# KiCad board pcb.kicad_pcb (continued)
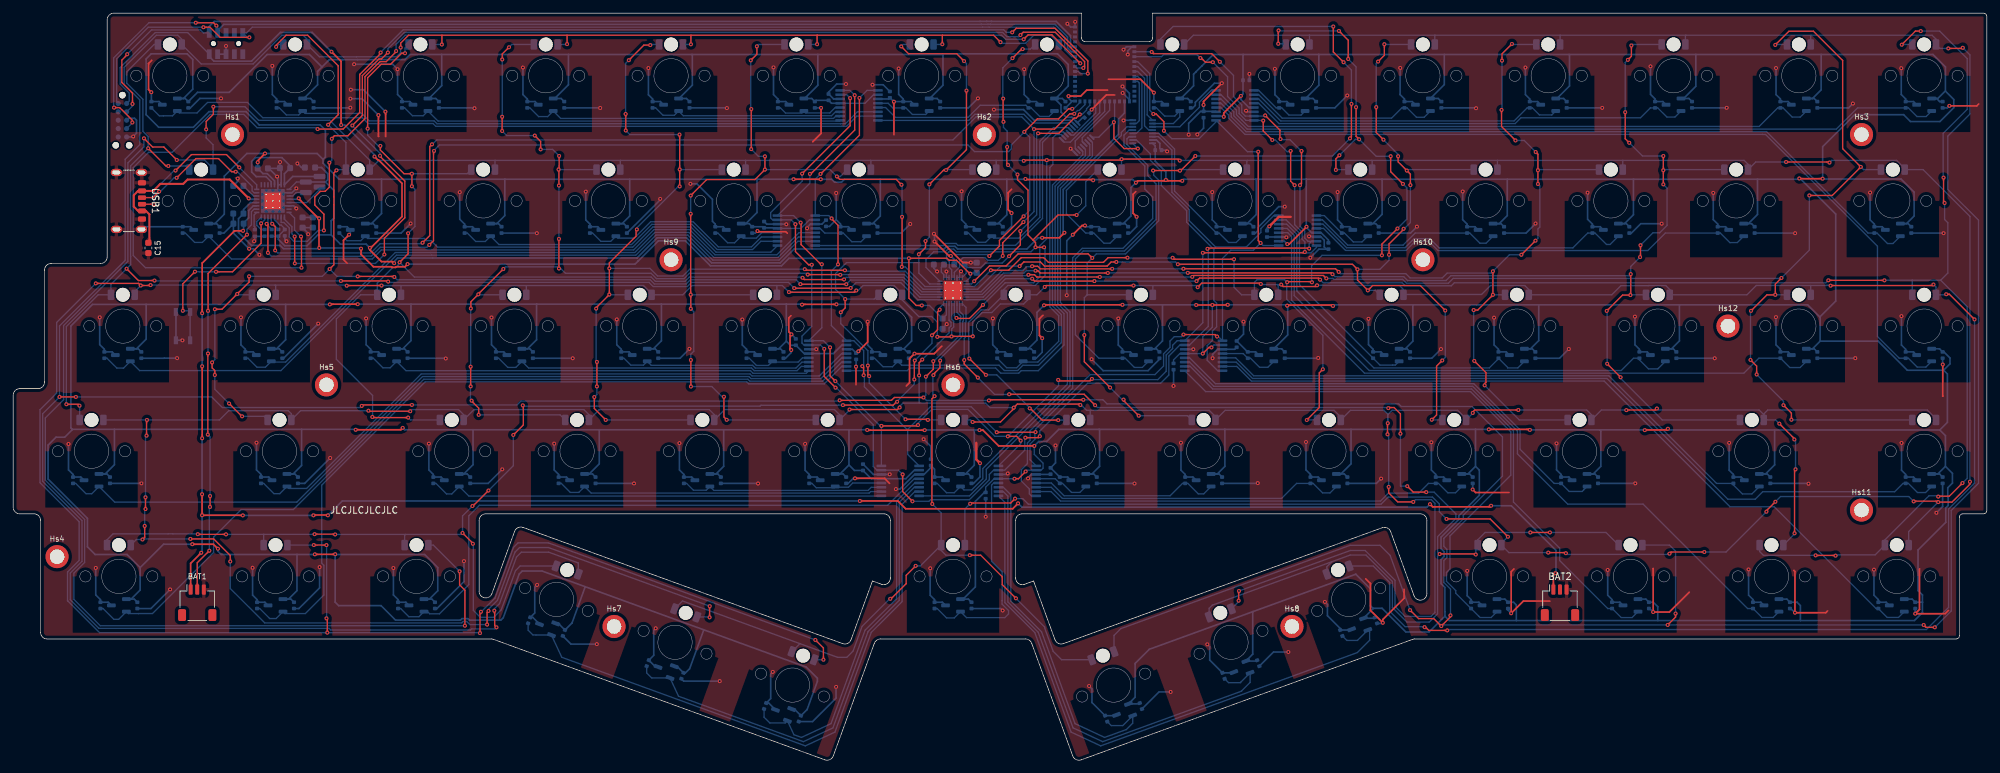
[diagram p0: board, top side]
## Routing (per net, layer and track width the routed paths; a pad name or vN(x,y) marks a point on that pad's centre or on a via; arc(x,y) is an arc through that point) (continued)
/MUXB_SEL_2: length 222.3
  Top w0.2: v1(195.34,92.44) 195.34,87.47 v1(195.11,87.24) ; v1(126.9,100.46) 126.9,96.27 v1(119.62,88.99) ; v1(196.5,77.6) 196.41,77.69 181.19,77.69 v1(181.08,77.58) ; v1(134.86,43.33) 134.86,40.74 v1(136.35,39.25) ; v1(189.83,97.83) 192.07,95.59 192.07,94.32 v1(192.16,94.24) ; v1(118.61,81.32) 118.61,77.15 120.61,75.16 v1(121.08,75.16) ; v1(182.96,105.97) 181.73,107.19 172.88,107.19 v1(172.62,107.46) ; v1(122.98,62.39) 122.98,58.21 v1(124.69,56.5) ; v1(155.66,49.13) 155.44,48.91 v1(153.47,48.91)
  Bottom w0.2: v1(118.61,81.32) 117.95,81.97 MUXB2.15 115.15,81.97 114.85,82.27 114.85,83.07 119.62,87.85 v1(119.62,88.99) ; v1(153.47,48.91) 153.38,48.82 153.38,47.01 150.34,43.97 MUXB8.15 148.65,43.97 148.01,43.33 148.01,42.51 144.98,39.49 139.09,39.49 138.85,39.25 v1(136.35,39.25) ; M1.38 172.58,107.5 v1(172.62,107.46) ; v1(196.5,77.6) 196.5,78.35 196.88,78.72 ; v1(124.69,56.5) 124.78,56.5 130.41,50.87 130.41,44.54 130.98,43.97 MUXB4.15 134.22,43.97 v1(134.86,43.33) ; MUXB1.15 126.39,100.97 v1(126.9,100.46) ; MUXB6.15 196.88,78.72 ; 196.88,78.72 196.32,78.72 195.83,79.21 195.83,80.27 195.11,80.99 v1(195.11,87.24) ; v1(192.16,94.24) 192.25,94.15 193.58,94.15 195.22,92.51 195.22,92.32 v1(195.34,92.44) ; v1(121.08,75.16) 121.08,65.8 119.6,64.32 119.6,63.27 119.9,62.97 MUXB3.15 122.39,62.97 v1(122.98,62.39) ; v1(182.96,105.97) 185.03,103.9 185.03,100.68 186.28,99.43 186.28,98.27 186.83,97.72 MUXB5.15 189.72,97.72 v1(189.83,97.83) ; v1(181.08,77.58) 181.2,77.46 181.2,65.8 178.37,62.97 MUXB7.15 176.9,62.97 175.23,61.3 175.23,58.42 173.98,57.18 162.92,57.18 155.66,49.92 v1(155.66,49.13)
/NRESET: length 160.4
  Top w0.2: v1(28.84,111.22) 29.84,111.22 31.38,109.68 v1(35.81,109.68)
  Bottom w0.2: v1(35.81,109.68) 35.48,109.68 JTAG1.10 35.38,110.35 36.25,111.22 146.97,111.22 146.97,111.23 147.97,111.23 147.97,111.22 157.78,111.22 159.44,109.57 159.44,107.81 160.5,106.75 M1.7 ; v1(28.84,111.22) 20.47,111.22 15.69,106.43 15.69,99.87 JTAG2.10
/SCL: length 181.6
  Top w0.2: v1(160.57,98.83) 160.02,98.83 158.5,97.31 155.29,97.31 v1(153.31,95.32) ; v1(38.42,81.36) 38.51,81.36 38.63,81.24 v1(38.63,76.97) ; v1(63.09,78.17) 63.73,78.81 63.73,92.36 v1(63.81,92.44) ; v1(148.01,76.48) 149.54,78.01 149.54,78.85 v1(153.2,82.51)
  Bottom w0.2: PMIC1.14 38.62,81.56 v1(38.42,81.36) 38.42,81.28 R1.2 ; v1(148.01,76.48) 147.78,76.71 142.82,76.71 142.39,77.14 141.9,77.14 141.52,76.75 141.52,76.04 141.94,75.62 141.94,74.74 142.3,74.39 LEDDR1.28 ; v1(63.09,78.17) 62.73,77.81 55.66,77.81 54.33,76.48 52.64,76.48 52.6,76.44 48.52,76.44 48.48,76.48 39.12,76.48 v1(38.63,76.97) ; v1(160.57,98.83) 160.78,98.83 161.75,99.79 M1.17 ; v1(153.2,82.51) 154.13,83.44 154.13,94.51 v1(153.31,95.32) 153.31,95.32 151.36,93.37 151.36,92.77 150.93,92.34 145.76,92.34 144.76,93.34 64.63,93.34 63.81,92.52 v1(63.81,92.44)
/SDA: length 180
  Top w0.2: v1(154.78,95.75) 157.89,95.75 160.21,98.07 v1(160.88,98.07) ; v1(39.27,81.38) 39.73,80.92 39.73,77.35 v1(39.72,77.34) ; v1(63.5,93.44) 63.16,93.1 63.16,79.59 v1(62.07,78.5) ; v1(150.04,76.5) 150.04,78.5 v1(153.18,81.64)
  Bottom w0.2: v1(153.18,81.64) 154.78,83.24 v1(154.78,95.75) 152.93,97.6 145.98,97.6 142.49,94.11 64.22,94.11 63.55,93.44 v1(63.5,93.44) ; LEDDR1.29 142.7,74 143.49,74.79 143.49,75.69 144.04,76.24 147.33,76.24 147.74,75.83 149.37,75.83 v1(150.04,76.5) ; v1(160.88,98.07) 161.38,98.57 161.62,98.57 162.5,99.45 M1.18 ; v1(62.07,78.5) 61.92,78.35 55.63,78.35 54.23,76.95 40.11,76.95 v1(39.72,77.34) ; PMIC1.13 39.12,81.53 v1(39.27,81.38) 39.34,81.38 R2.2
/SW0: length 997.6
  Top w0.2: 83.98,110 102.78,110 ; 83.98,110 65.01,110 ; 83.98,110 v1(83.98,108.65) ; 102.78,110 102.76,109.98 v1(102.76,108.62) ; 102.78,110 121.91,110 ; v1(73.28,20.11) 73.01,20.38 73.01,22.58 v1(72.95,22.64) ; v1(125.31,54.58) 133.18,54.58 133.61,55.01 v1(138.02,55.01) ; v1(139.51,60.52) 139.51,59.3 v1(138.38,58.17) ; v1(293.41,108) 295.51,108 v1(295.61,108.1) ; 65.01,110 65.01,108.61 v1(64.99,108.59) ; 65.01,110 59.94,110 58.75,108.81 v1(58.75,108.13) ; v1(60.46,53.88) 53,53.88 v1(52.85,53.73) ; v1(252.06,22.21) 252.06,21.68 v1(250.86,20.48) ; 140.88,110 148.65,110 v1(149.7,108.95) ; 140.88,110 v1(140.88,108.63) ; 140.88,110 121.91,110 ; v1(211.8,22.73) 213.09,21.44 215.39,21.44 v1(216.53,20.3) 217.93,21.7 v1(217.93,21.93) ; v1(162.26,54.66) 148.05,54.66 v1(147.95,54.56) ; 121.91,110 121.89,109.98 v1(121.89,108.63) ; v1(9.51,55.09) v1(7.02,55.09) ; v1(291.37,20.12) 290.03,20.12 v1(289.68,20.47)
  Bottom w0.2: D13.2 253.55,109.94 253.61,110 ; v1(291.37,20.12) 293.86,22.61 293.86,37.86 297.99,41.99 297.99,81.92 293.33,86.59 293.33,94.68 296.69,98.04 296.69,107.02 v1(295.61,108.1) ; D11.2 215.55,109.97 215.58,110 ; v1(138.38,58.17) 138.38,55.37 v1(138.02,55.01) 138.47,54.56 v1(147.95,54.56) ; v1(102.76,108.62) 102.74,108.6 D5.2 ; 272.6,110 272.55,109.95 D14.2 ; 272.6,110 253.61,110 ; 272.6,110 290.95,110 291.55,109.4 D15.2 292.15,108 v1(293.41,108) ; v1(252.06,22.21) 252.06,31.68 251.14,32.6 D70.2 ; v1(211.8,22.73) 208.78,31.03 207.24,32.57 202.7,32.57 167.94,19.91 166.92,18.89 D66.2 ; D9.2 178.95,110 196.53,110 ; 196.53,110 215.58,110 ; 196.53,110 196.55,109.98 D10.2 ; 215.58,110 234.57,110 ; 253.61,110 234.57,110 ; v1(149.7,108.95) 149.88,108.77 153.52,108.77 153.52,108.78 154.74,110 157.33,110 158.55,108.78 D8.2 ; D3.2 64.98,108.6 v1(64.99,108.59) ; v1(140.88,108.63) 140.85,108.6 D7.2 ; 234.57,110 234.55,109.98 D12.2 ; v1(73.28,20.11) 73.05,19.88 69.5,19.88 69.33,19.71 48.15,19.71 47.9,19.96 13.01,19.96 8.65,24.31 8.65,28.35 10.43,30.13 10.43,36.32 4.46,42.28 4.46,52.53 v1(7.02,55.09) 7.02,65.87 16.98,75.83 16.98,91.18 19.19,93.39 19.19,100.18 16.82,102.55 16.82,105.12 21.7,110 24.95,110 25.55,109.4 D1.2 28.51,105.64 36.38,105.64 40.74,110 43.95,110 44.55,109.4 D2.2 46.42,106.72 50.11,106.72 50.12,106.72 52.04,106.72 52.05,106.72 58.1,106.72 58.73,107.35 58.73,108.11 v1(58.75,108.13) ; LEDDR1.11 143.1,67.92 143.67,67.35 143.67,66.81 143.56,66.7 143.56,64.49 139.59,60.52 v1(139.51,60.52) ; v1(83.98,108.65) 83.93,108.6 D4.2 ; v1(217.93,21.93) 217.93,25.92 216.92,26.93 216.92,30.23 217.38,30.69 217.38,31.96 216.92,32.42 216.92,33.63 219.87,36.57 219.87,37.13 225.81,43.07 225.81,49.02 221.19,53.64 210.47,53.64 210.07,54.04 165.85,54.04 165.23,54.66 v1(162.26,54.66) ; v1(72.95,22.64) 72.95,22.92 73.74,23.72 76.32,30.79 77.05,31.52 81.19,31.52 85.66,29.89 85.69,29.86 D62.2 ; v1(216.53,20.3) 216.53,20.45 216.55,20.48 v1(250.86,20.48) 289.67,20.48 v1(289.68,20.47) ; v1(60.46,53.88) 76.4,53.88 76.99,54.47 125.2,54.47 v1(125.31,54.58) ; D6.2 121.86,108.6 v1(121.89,108.63) ; v1(52.85,53.73) 52.6,53.48 31.71,53.48 30.1,55.09 v1(9.51,55.09)
/SW1: length 724.8
  Top w0.2: v1(145.1,38.88) 145.21,38.99 151.25,38.99 v1(151.91,39.65) ; v1(265.83,37.67) 265.83,37.82 v1(267.19,39.18) ; v1(67.69,28.61) 67.69,26.56 68.49,25.76 v1(68.49,20.36) ; v1(217.33,36.57) 223.94,36.57 v1(226.64,33.87) ; v1(296.69,42.22) 296.69,41.84 293.97,39.12 v1(291.88,39.12) 291.73,39.27 288.2,39.27 v1(288.16,39.23) ; v1(29.26,95.71) 29.26,96.91 30.35,98 v1(30.35,99.15) ; v1(275.4,90.67) 275.31,90.76 v1(268.81,90.76) ; v1(251.13,31.3) 251.38,31.55 v1(256.42,31.55) ; v1(153.23,90.93) 153.34,91.04 v1(156.71,91.04) 167.91,91.04 v1(168.06,91.19) 176.66,91.19 v1(176.88,90.97) ; v1(19.82,94.35) 21.14,93.03 22.84,93.03 v1(24.81,91.06) ; v1(143.02,67.08) 143.09,67.01 145,67.01 v1(147.04,69.05) ; v1(232.75,31.46) 235.34,31.46 v1(235.43,31.37)
  Bottom w0.2: 225.05,91 206,91 ; 225.05,91 244.05,91 ; 225.05,91 D26.2 ; 206,91 206.05,90.95 D25.2 ; 206,91 187.13,91 ; v1(24.81,91.06) 29.02,91.06 30.3,89.78 D16.2 30.3,93.38 29.26,94.42 v1(29.26,95.71) ; v1(143.02,67.08) 142.7,67.4 LEDDR1.12 ; 130,91 149.01,91 ; 130,91 111.03,91 ; 130,91 130.05,90.95 D21.2 ; 149.01,91 153.16,91 v1(153.23,90.93) ; 149.01,91 149.05,90.96 D22.2 ; v1(267.19,39.18) 267.98,39.97 287.42,39.97 v1(288.16,39.23) ; 111.03,91 111.05,90.98 D20.2 ; 111.03,91 92.08,91 ; v1(291.88,39.12) 287.4,34.65 D72.2 ; v1(256.42,31.55) 259.71,31.55 v1(265.83,37.67) ; v1(68.49,20.36) 13.2,20.36 9.2,24.36 9.2,28.33 10.83,29.96 10.83,36.48 4.87,42.45 4.87,51.89 7.64,54.67 7.64,65.92 17.39,75.67 17.39,90.63 19.82,93.06 v1(19.82,94.35) ; D65.2 144.3,38.08 v1(145.1,38.88) ; v1(217.33,36.57) 216.24,37.66 216.24,38.84 215.19,39.89 208.48,39.89 207.4,38.81 153.92,38.81 153.08,39.65 v1(151.91,39.65) ; 92.08,91 92.05,90.97 D19.2 ; 92.08,91 73.07,91 ; v1(296.69,42.22) 296.69,82.5 289.59,89.6 D29.2 286.8,89.78 285.58,91 275.73,91 v1(275.4,90.67) ; v1(168.06,91.19) 168.05,91.18 D23.2 ; 73.07,91 73.05,90.98 D18.2 ; 73.07,91 55.45,91 D17.2 ; 187.13,91 187.05,90.92 D24.2 ; 187.13,91 176.91,91 v1(176.88,90.97) ; v1(268.81,90.76) 264.21,90.76 D28.2 263.05,90.4 262.45,91 244.05,91 ; v1(67.69,28.61) 63.7,32.6 D61.2 ; 244.05,91 D27.2 ; v1(147.04,69.05) 150.41,72.42 154.73,72.42 155.66,73.35 155.66,78.05 156.71,79.1 v1(156.71,91.04) ; v1(251.13,31.3) 251.02,31.19 235.61,31.19 v1(235.43,31.37) ; v1(232.75,31.46) 226.79,31.46 D69.2 225.65,32.88 v1(226.64,33.87) ; 54.05,90.4 54.05,91.03 48,97.08 37.21,97.08 35.14,99.15 v1(30.35,99.15)
/SW2: length 674
  Top w0.2: v1(189.18,72.24) 189.05,72.37 180.22,72.37 v1(179.6,71.75) ; v1(156.41,71.79) 156.62,72 v1(169.87,72) ; v1(121.62,18.21) 122.85,16.98 v1(122.85,15.2) ; v1(214,20.14) 214.14,20.14 214.64,19.65 v1(217.44,19.65) ; v1(192.26,72.15) 192.56,71.85 197.51,71.85 v1(197.7,72.04) ; v1(12.52,72.33) 19.02,72.33 v1(19.34,72.01) 20.77,72.01 v1(20.83,72.07) ; v1(47.5,21.48) 47.63,21.35 v1(47.63,19.31) ; v1(297.39,66.86) 293.57,70.68 v1(293.09,70.68) ; v1(145.51,64.29) 142.27,64.29 v1(142.27,64.27) 142.21,64.21 v1(140.12,64.21) ; v1(47.5,32.6) 47.49,32.61 v1(45.58,32.61) ; v1(70.92,22.48) 70.78,22.34 v1(70.78,19.24) ; v1(291.16,72.16) 291,72 275.58,72 v1(275.56,71.98) ; v1(50.57,71.98) 50.59,72 v1(55.85,72) ; v1(127.83,71.25) 127.57,70.99 117.64,70.99 v1(117.62,71.01)
  Bottom w0.2: v1(275.56,71.98) 275.5,72.04 275.03,72.04 275.01,72.01 272.61,72.01 ; v1(70.78,19.24) 70.71,19.31 v1(47.63,19.31) 47.28,19.31 47.28,19.3 13.09,19.3 8.25,24.15 8.24,24.16 8.24,28.51 8.25,28.51 8.25,28.52 10,30.27 10,36.14 4.06,42.07 4.06,53.14 6.59,55.67 6.59,66.4 v1(12.52,72.33) ; D31.2 39.8,72 39.73,72.07 ; v1(145.51,64.29) 145.47,64.32 145.47,66.45 146.92,67.9 148.38,67.9 149.67,69.19 153.2,69.19 153.8,69.8 D37.2 155.22,70.6 v1(156.41,71.79) ; 84.7,31.65 v1(121.62,18.21) ; D39.2 191.8,72.07 191.72,72.15 ; v1(70.92,22.48) 70.97,22.48 73.05,24.56 75.85,32.24 76.54,32.93 81.16,32.93 84.78,31.62 ; v1(297.39,66.86) 297.39,42.01 293.45,38.07 293.45,23.14 290.09,19.78 217.57,19.78 v1(217.44,19.65) ; D60.2 45.57,32.6 v1(45.58,32.61) ; 172.83,72 172.8,71.97 D38.2 ; 172.83,72 v1(169.87,72) ; 172.83,72 179.35,72 v1(179.6,71.75) ; v1(19.34,72.01) 18.43,71.09 D30.2 ; v1(140.12,64.21) 140.12,66.45 139.27,67.3 137.3,67.3 134.8,69.8 D36.2 ; D32.2 58.8,71.97 58.77,72 ; LEDDR1.13 142.3,66.88 142.6,66.57 142.6,65.7 142.3,65.4 142.3,64.3 v1(142.27,64.27) ; 115.78,72 115.8,71.98 D35.2 ; 115.78,72 116.63,72 v1(117.62,71.01) ; 115.78,72 102.93,72 101.53,70.6 D34.2 96.8,70.78 95.58,72 77.77,72 ; v1(214,20.14) 213.92,20.22 211.05,20.22 208.72,22.55 208.72,26.92 206.21,29.42 D68.2 ; v1(291.16,72.16) 291.55,71.77 D44.2 293.01,70.6 v1(293.09,70.68) ; v1(189.18,72.24) 189.27,72.15 191.72,72.15 ; 191.72,72.15 v1(192.26,72.15) ; 77.77,72 58.77,72 ; 77.77,72 77.8,71.97 D33.2 ; v1(127.83,71.25) 128.11,71.25 128.86,72 133.58,72 134.8,70.78 ; D64.2 122.85,15.19 v1(122.85,15.2) ; v1(20.83,72.07) 39.73,72.07 ; 39.73,72.07 50.48,72.07 v1(50.57,71.98) ; 58.77,72 v1(55.85,72) ; v1(47.5,21.48) 47.52,21.5 47.52,32.57 v1(47.5,32.6) ; D43.2 272.55,71.98 272.51,72.01 264.29,72.01 262.87,70.6 D42.2 251.18,71.4 250.57,72 247.93,72 247.91,71.98 243.77,71.98 242.39,70.6 D41.2 229.8,71.4 229.2,72 223.99,72 222.64,70.65 210.85,70.65 D40.2 210.8,71.4 210.18,72.02 198.46,72.02 198.44,72.04 v1(197.7,72.04)
/SW3: length 555.8
  Top w0.2: v1(145.47,51.29) 149.7,51.29 151.71,53.3 v1(151.71,53.47) 152.25,54.01 161.66,54.01 v1(161.8,53.86) ; v1(208.38,49.41) 208.38,51.07 v1(208.42,51.11) ; v1(134.41,53.49) 134.09,53.18 v1(126.8,53.18) ; v1(32.91,30.11) 32.91,31.02 30.4,33.54 v1(26.86,33.54) ; v1(20.28,51.6) 20.22,51.54 v1(20.22,49.21) ; v1(20.06,38.07) v1(20.06,39.86) ; v1(267.79,51.04) 270.07,48.76 v1(270.07,48.64) ; v1(249.22,53.33) 249,53.11 244.61,53.11 v1(244.59,53.09) ; v1(71.86,20.53) 71.86,22.4 v1(72.07,22.61) ; v1(53.86,53) 53.94,52.92 v1(60.2,52.92) ; v1(228.22,53.11) 221.61,53.11 221.31,52.81 v1(221.31,52.66) ; v1(185.81,24.16) 185.81,25.58 v1(185.86,25.63) ; v1(137.36,58.36) 137.36,60.28 v1(137.84,60.76) ; v1(270.25,44.11) 270.1,43.96 v1(270.1,34.39) ; v1(208.56,41.44) 208.56,40.53 209.93,39.16 v1(212.29,39.16) ; v1(105.59,21.63) 105.59,23.31 v1(105.61,23.33) ; v1(19.61,33.45) 19.94,33.78 v1(19.94,35.51)
  Bottom w0.2: D59.2 18.68,33.45 v1(19.61,33.45) 19.7,33.54 v1(26.86,33.54) ; v1(145.47,51.29) 145.16,51.6 D51.2 ; v1(72.07,22.61) 72.07,22.86 73.42,24.22 76.09,31.54 76.78,32.23 81.15,32.23 v1(105.61,23.33) ; D67.2 185.81,24.02 v1(185.81,24.16) ; 137.42,54.15 134.9,54.15 134.41,53.66 v1(134.41,53.49) ; 137.42,54.15 147.44,54.15 148.12,53.47 v1(151.71,53.47) ; 137.42,54.15 137.36,54.21 v1(137.36,58.36) ; D71.2 270.1,34.3 v1(270.1,34.39) ; v1(212.29,39.16) 212.62,39.49 215.03,39.49 215.57,38.94 215.57,22.37 214.98,21.78 211.04,21.78 209.52,23.3 209.52,27.25 204.99,31.78 202.74,31.78 v1(185.86,25.63) ; v1(105.59,21.63) 105.52,21.69 D63.2 ; D52.2 163.3,53.04 163.32,53.06 ; D57.2 265.43,52.49 266.04,53.11 290.22,53.11 291.55,51.78 D58.2 ; D57.2 265.43,52.41 264.73,53.11 249.45,53.11 v1(249.22,53.33) ; D57.2 267.23,51.6 v1(267.79,51.04) ; v1(244.59,53.09) 244.57,53.11 240.81,53.11 D56.2 239.3,52.39 238.58,53.11 v1(228.22,53.11) ; v1(53.86,53) 43.58,53 D46.2 42.17,52.53 41.71,53 32.68,53 31.28,51.6 v1(20.28,51.6) D45.2 ; v1(137.84,60.76) 141.9,64.82 141.9,65.57 142.2,65.87 142.2,66.41 141.9,66.71 LEDDR1.14 ; v1(60.2,52.92) 60.45,53.17 67.53,53.17 68.3,52.4 D47.2 69.87,53.17 86.53,53.17 87.3,52.4 D48.2 88.84,53.14 88.84,53.17 105.54,53.17 106.3,52.41 D49.2 107.87,53.17 124.53,53.17 125.3,52.4 D50.2 126.8,53.1 v1(126.8,53.18) 126.79,53.17 ; v1(71.86,20.53) 69.24,20.53 68.76,21.01 68.22,21.01 68,20.79 38.14,20.79 32.91,26.02 v1(32.91,30.11) ; v1(161.8,53.86) 161.94,53.86 162.75,53.06 163.32,53.06 ; v1(20.06,38.07) 19.94,37.95 v1(19.94,35.51) ; v1(208.38,49.41) 208.56,49.23 v1(208.56,41.44) ; 163.32,53.06 181.34,53.06 182.3,52.1 D53.2 183.76,53.06 200.27,53.06 201.3,52.03 D54.2 202.76,53.06 207.84,53.06 208.42,52.48 v1(208.42,51.11) 208.42,52.4 209.08,53.06 219.02,53.06 220.3,51.78 D55.2 221.31,52.61 v1(221.31,52.66) ; v1(270.07,48.64) 270.25,48.46 v1(270.25,44.11) ; v1(20.22,49.21) 20.06,49.05 v1(20.06,39.86)
/SWDCLK: length 165.7
  Top w0.2: v1(18.07,96.74) 18.07,97.08 16.15,99.01 v1(15.29,99.01) ; v1(27.68,111.9) 30.37,111.9 v1(30.81,111.46)
  Bottom w0.2: v1(30.81,111.46) 31,111.27 JTAG1.4 31,110.71 ; JTAG2.4 18.07,96.7 v1(18.07,96.74) ; v1(27.68,111.9) 20.58,111.9 15.23,106.54 15.23,99.07 v1(15.29,99.01)
  Bottom w0.25: M1.6 160.45,107.5 159.87,108.08 159.87,109.74 157.96,111.65 148.15,111.65 148.14,111.65 146.8,111.65 146.79,111.65 31.93,111.65 31,110.71 JTAG1.4
/SWDIO: length 159.4
  Top w0.2: v1(17.29,107.12) 17.29,107.05 16.47,106.23 16.47,102.84 16.46,102.83 18.09,101.2 v1(18.09,99.57)
  Bottom w0.2: JTAG1.2 28.85,110.35 28.4,110.8 20.97,110.8 v1(17.29,107.12) ; JTAG2.2 18.09,99.26 v1(18.09,99.57)
  Bottom w0.25: JTAG1.2 29.73,111.33 30.49,112.1 146.61,112.1 146.61,112.1 148.33,112.1 148.33,112.1 158.15,112.1 160.31,109.93 160.31,108.38 160.45,108.25 M1.5
/VOUT2: length 21.3
  Bottom w0.25: L2.1 42.38,88.56 PMIC1.32 41.12,88.97 C22.1 41.99,90.17 40.74,91.42 36.74,91.42 36.16,90.84 36.16,89.23 36.85,88.53 38.34,88.53 39.12,87.75 PMIC1.28
/VSYS: length 155
  Top w0.2: v1(145.14,73.79) 145.06,73.79 143.02,75.84 141.9,75.84 141.6,76.14 v1(135.81,76.14) 135.81,70.09 136.92,68.98 v1(137.77,68.98)
  Top w0.25: v1(46.41,77.71) 46.37,77.75 46.37,82.18 v1(46.39,82.2) 46.28,82.2 43.29,85.19 v1(43.29,85.25) ; v1(52.74,77.6) 52.74,76.73 54.63,74.85 57.36,74.85 57.44,74.76 58,74.76 58.08,74.85 59.39,74.85 v1(59.8,75.26)
  Bottom w0.2: C31.1 145.28,73.93 v1(145.14,73.79) 145.14,73.3 LEDDR1.1 ; LEDDR1.15 141.5,67.56 C32.1 138.93,68.98 v1(137.77,68.98)
  Bottom w0.25: PMIC1.20 35.98,84.6 34.92,83.54 34.92,83.07 ; v1(135.81,76.14) 117.63,76.14 116.48,74.99 105.72,74.99 101.92,78.78 97.83,78.78 94.79,75.75 94.79,75.75 94.3,75.26 v1(59.8,75.26) ; v1(46.39,82.2) 46.24,82.35 C7.1 45.42,82.34 C6.1 ; v1(43.29,85.25) 43.14,85.1 PMIC1.4 ; v1(52.74,77.6) 52.63,77.71 v1(46.41,77.71) 46.3,77.59 40.98,77.59 40.48,78.09 36.14,78.09 34.16,80.07 34.16,80.08 34.16,82.16 34.91,82.91 C8.1
Net-(BAT1-NTC): length 62
  Top w0.2: 29.75,31.74 v1(29.74,31.75) 27.91,29.91 BAT1.2 ; v1(29.51,49.37) 29.51,61.66 v1(29.54,61.69) ; v1(29.54,68.15) 29.55,68.16 29.55,73.83 v1(35.45,79.73) ; v1(29.84,38.39) 29.85,38.4 v1(29.85,40.05)
  Bottom w0.2: v1(35.45,79.73) 35.45,80.54 36.13,81.21 36.13,83.21 36.51,83.6 PMIC1.18 ; v1(29.85,40.05) 29.85,49.03 v1(29.51,49.37) ; v1(29.74,31.75) 29.74,38.29 v1(29.84,38.39) ; v1(29.54,68.15) v1(29.54,61.69)
Net-(LEDDR1-VCAP): length 2.3
  Bottom w0.2: C30.2 140.73,74.78 140.73,74.04 141.1,73.67 LEDDR1.25
Net-(PMIC1-CC1): length 22.4
  Top w0.2: v1(24.78,88.35) 27.7,91.27 31.13,91.27 33.12,89.28 v1(33.74,89.28) ; USB1.A5 21.21,85.35 v1(22.13,86.27)
  Bottom w0.2: PMIC1.23 36.51,86.1 36.22,86.38 36.22,87.05 34,89.28 v1(33.74,89.28) ; v1(24.78,88.35) 24.39,88.35 22.31,86.27 v1(22.13,86.27)
Net-(PMIC1-CC2): length 24.3
  Top w0.2: v1(34.29,89.93) 32.34,91.88 27.03,91.88 v1(24.61,89.46) ; USB1.B5 v1(21.35,84.35)
  Bottom w0.2: v1(21.35,84.35) 21.35,86.4 24.4,89.46 v1(24.61,89.46) ; PMIC1.24 36.92,87.29 v1(34.29,89.93)
Net-(PMIC1-SHPHLD): length 28.2
  Top w0.2: v1(25.72,68.17) 25.72,72.27 v1(27.56,74.11) ; v1(30.75,74.09) 33.25,74.09 37.59,78.43 v1(37.59,81.44)
  Bottom w0.2: v1(27.56,74.11) 28.23,74.11 28.25,74.09 v1(30.75,74.09) ; v1(25.72,68.17) 26.66,68.17 SW1.2 SW1.2 ; v1(37.59,81.44) 38.12,81.98 PMIC1.15
Net-(PMIC1-SW1): length 2.8
  Bottom w0.2: L1.2 42.9,86.12 42.38,85.6 PMIC1.3
Net-(PMIC1-SW2): length 5.8
  Bottom w0.2: L2.2 46.46,86.56 44.5,84.6 PMIC1.5
Net-(PMIC1-VBUS): length 29.9
  Top w0.3: v1(35.71,85.23) 32.84,88.1 26.44,88.1 25.78,87.44 22.31,87.44 21.24,86.37 USB1.B9 18.93,86.37 18.28,85.72 18.28,83.99 18.94,83.33 USB1.A9 20.13,83.33 20.65,82.8 20.65,78.63 20.5,78.48
  Bottom w0.3: v1(35.71,85.23) 35.84,85.1 PMIC1.21
Net-(PMIC1-VBUSOUT): length 2.7
  Bottom w0.2: C14.1 35.82,86.22 35.82,86.22 36.44,85.6 PMIC1.22
Net-(PMIC1-VSET1): length 2.8
  Bottom w0.2: R3.2 36.64,80.89 36.53,81 36.53,82.7 PMIC1.17
Net-(PMIC1-VSET2): length 3
  Bottom w0.2: PMIC1.16 36.93,81.7 36.93,81.17 37.59,80.51 R4.2

## Copper pours and planes (outline as drawn; the poured copper is in the pictures)
GND on Top: -5.17,117.72 303.95,117.68 304.27,-22.69 -7.71,-22.81

Small or netless copper shapes (teardrops, artwork), in the pictures only: 639 on Top, 2073 on Bottom
